# Altium PCB BTF16.PcbDoc (part 1 of 4)
Units mm, origin at the board's own origin, x right, y up, seen from the top; angles counter-clockwise.
Board outline 119.35 x 91 mm, 2 copper layers (Top Layer, Bottom Layer); 485 components, 133 nets, 1702 pads, 1556 vias.
Unrouted connection lines stored in the file: 2.
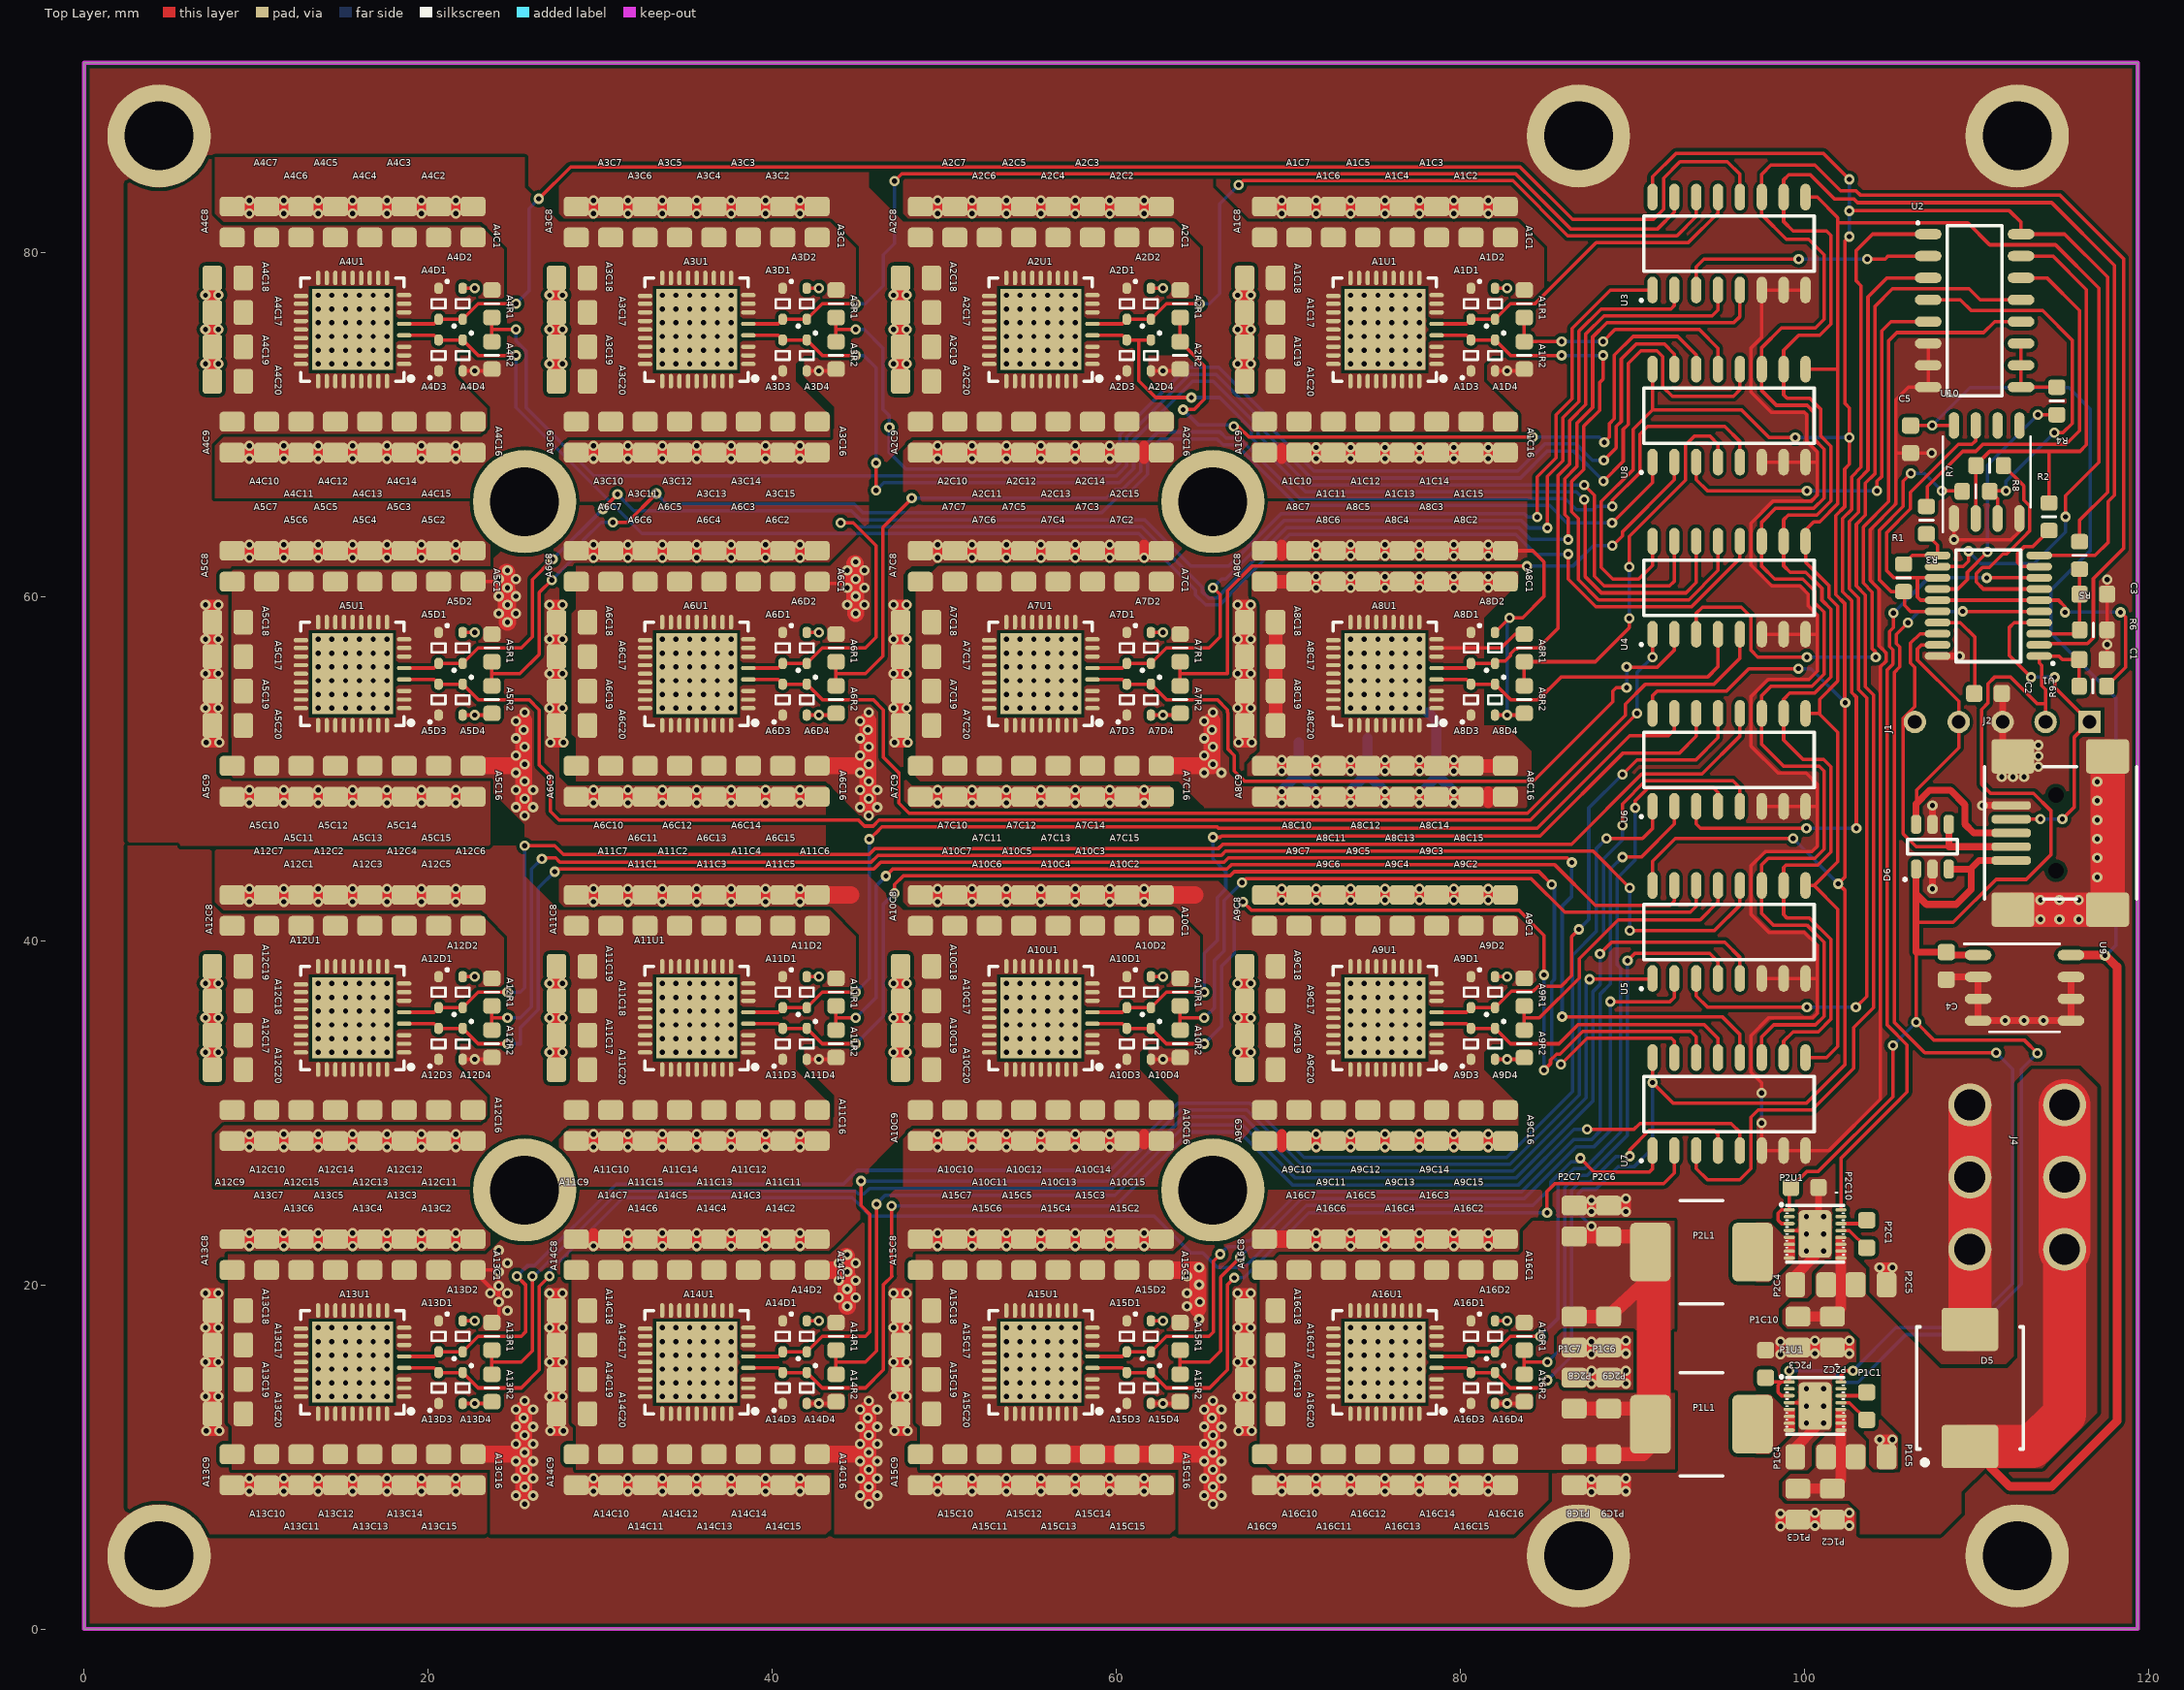
[diagram p0: Top Layer view]
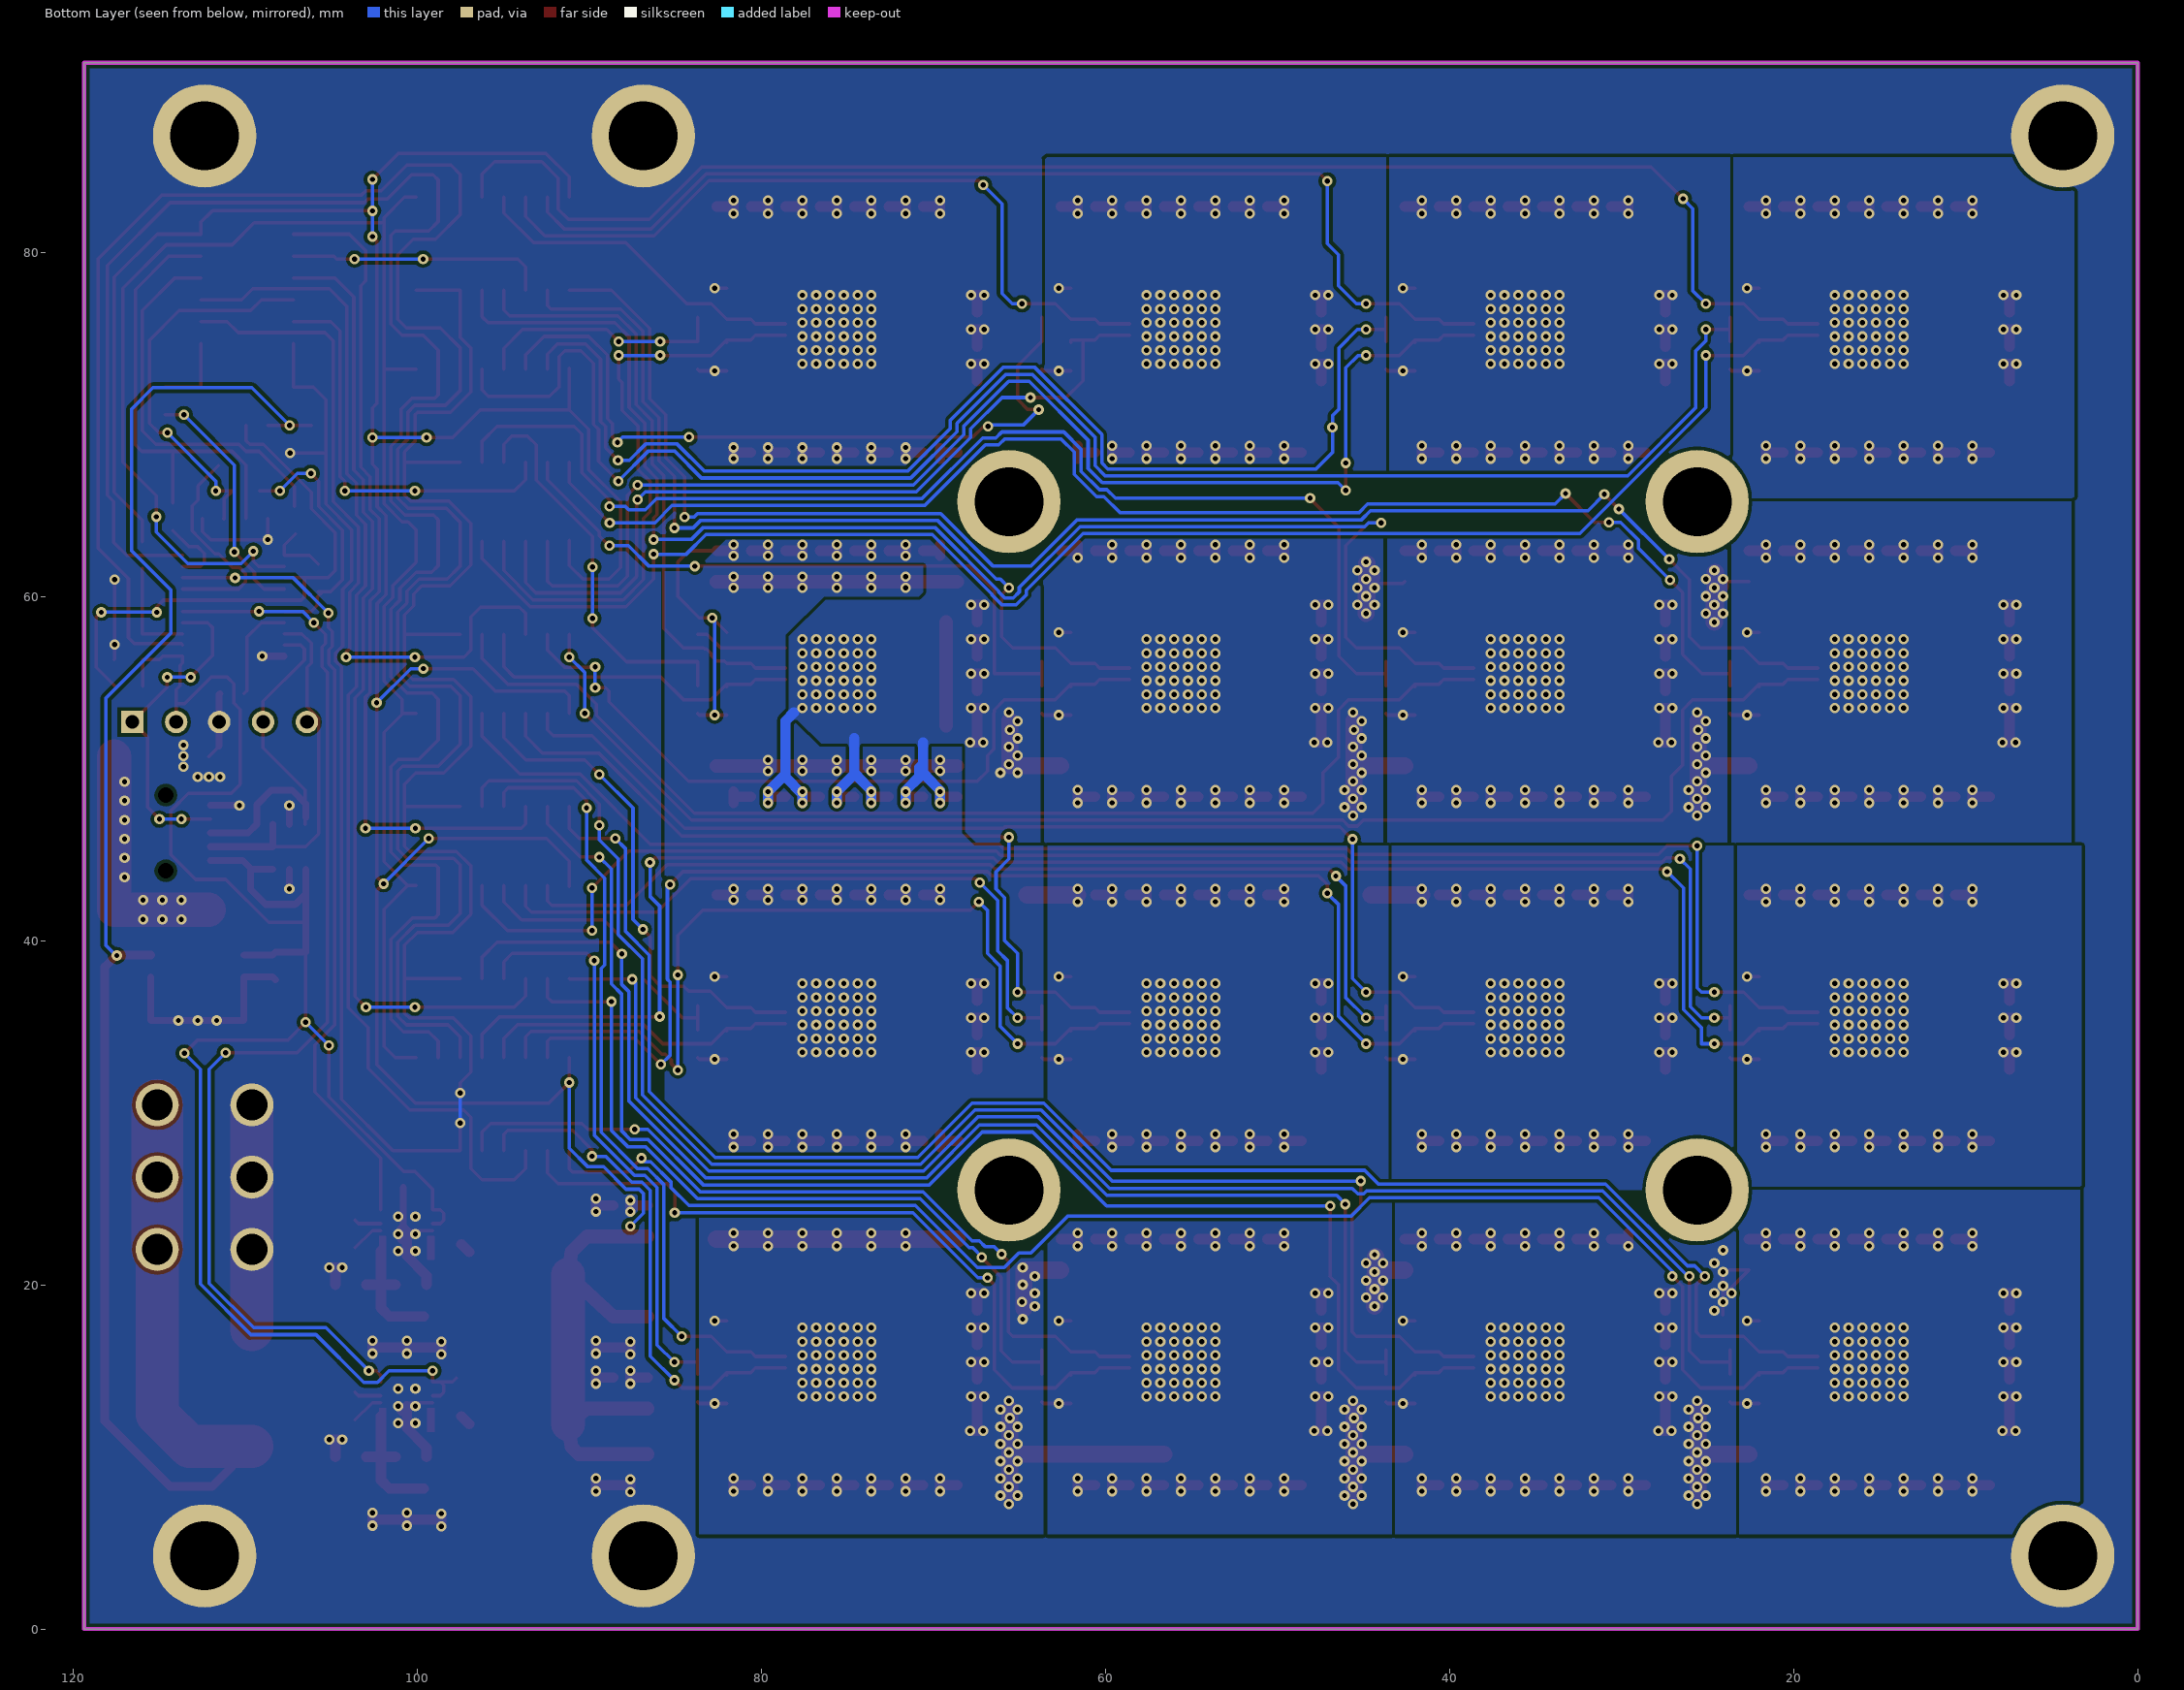
[diagram p1: Bottom Layer view, seen from below]
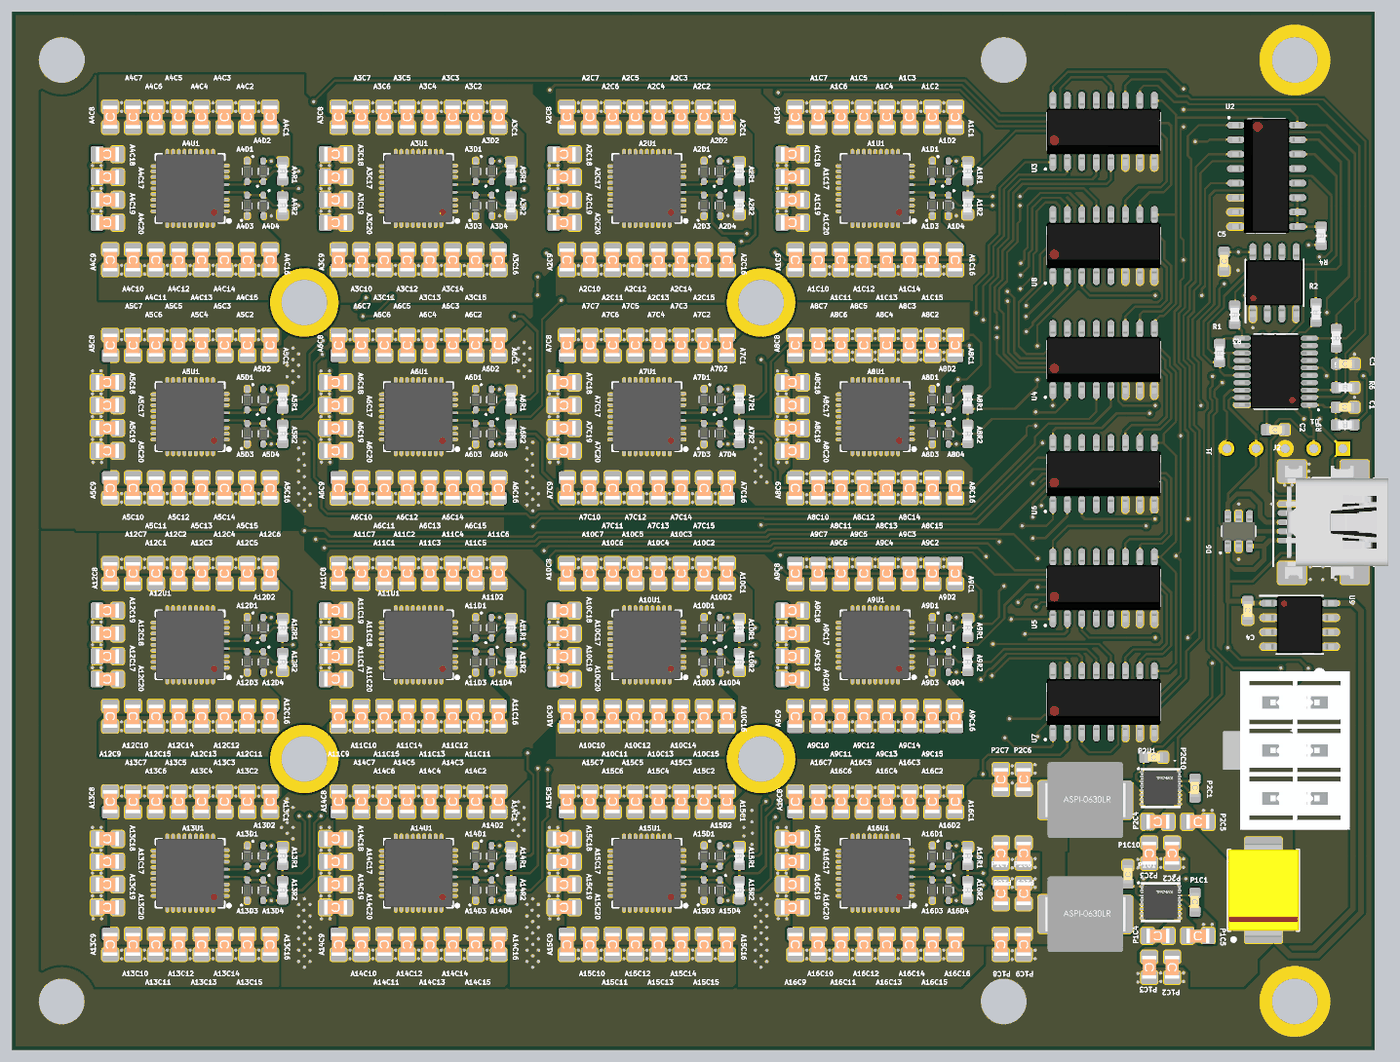
[diagram p5: 3D render of the assembled board from above, using the file's embedded part models]

## Layer stack, top to bottom
Top Solder: solder mask 0.0102, Solder Resist, Dk 3.5
Top Layer: signal copper 0.0356
Dielectric 1: dielectric 0.32, FR-4, Dk 4.8
Bottom Layer: signal copper 0.0356
Bottom Solder: solder mask 0.0102, Solder Resist, Dk 3.5

## Board outline
0,0 119.35,0 119.35,91 0,91

## Design rules (kind name [scope] priority, off if disabled: settings)
Clearance [All] p1: gap=0.2
ComponentClearance [All] p1 off: gap=0.254 collisioncheckmode=3 verticalgap=0.254 showdistances=FALSE
HoleSize [All] p1: absolutevalues=TRUE maxlimit=4 minlimit=0.3 maxpercent=80.000 minpercent=20.000
PolygonConnect [All] p1: connectstyle=Direct reliefconductorwidth=0.254 reliefentries=4 polygonreliefangle="90 Angle" airgapwidth=0.254
RoomDefinition A12 [InComponentClass('A12')] p1: confinementstyle=ConfineIn formatcopy=TRUE lockcomponents=FALSE outline 5.6,25.5 25.6,25.5 25.6,45.5 5.6,45.5
RoomDefinition A11 [InComponentClass('A11')] p2: confinementstyle=ConfineIn formatcopy=TRUE lockcomponents=FALSE outline 25.6,25.5 45.6,25.5 45.6,45.5 25.6,45.5
RoomDefinition P2 [InComponentClass('P2')] p3: confinementstyle=ConfineIn formatcopy=TRUE lockcomponents=FALSE outline 85.6,15.5 105.6,15.5 105.6,25.5 85.6,25.5
RoomDefinition P1 [InComponentClass('P1')] p4: confinementstyle=ConfineIn formatcopy=TRUE lockcomponents=FALSE outline 85.6,5.5 105.6,5.5 105.6,15.5 85.6,15.5
RoomDefinition MCU [InComponentClass('MCU')] p5: confinementstyle=ConfineIn formatcopy=TRUE lockcomponents=FALSE outline 85.6,85.5 85.6,25.5 119.35,25.5 119.35,85.5
RoomDefinition A16 [InComponentClass('A16')] p6: confinementstyle=ConfineIn formatcopy=TRUE lockcomponents=FALSE outline 65.6,5.5 85.6,5.5 85.6,25.5 65.6,25.5
RoomDefinition A15 [InComponentClass('A15')] p7: confinementstyle=ConfineIn formatcopy=TRUE lockcomponents=FALSE outline 45.6,5.5 65.6,5.5 65.6,25.5 45.6,25.5
RoomDefinition A14 [InComponentClass('A14')] p8: confinementstyle=ConfineIn formatcopy=TRUE lockcomponents=FALSE outline 25.6,5.5 45.6,5.5 45.6,25.5 25.6,25.5
RoomDefinition A13 [InComponentClass('A13')] p9: confinementstyle=ConfineIn formatcopy=TRUE lockcomponents=FALSE outline 5.6,5.5 25.6,5.5 25.6,25.5 5.6,25.5
RoomDefinition A10 [InComponentClass('A10')] p10: confinementstyle=ConfineIn formatcopy=TRUE lockcomponents=FALSE outline 45.6,25.5 65.6,25.5 65.6,45.5 45.6,45.5
RoomDefinition A9 [InComponentClass('A9')] p11: confinementstyle=ConfineIn formatcopy=TRUE lockcomponents=FALSE outline 65.6,25.5 85.6,25.5 85.6,45.5 65.6,45.5
RoomDefinition A8 [InComponentClass('A8')] p12: confinementstyle=ConfineIn formatcopy=TRUE lockcomponents=FALSE outline 65.6,45.5 85.6,45.5 85.6,65.5 65.6,65.5
RoomDefinition A7 [InComponentClass('A7')] p13: confinementstyle=ConfineIn formatcopy=TRUE lockcomponents=FALSE outline 45.6,45.5 65.6,45.5 65.6,65.5 45.6,65.5
RoomDefinition A6 [InComponentClass('A6')] p14: confinementstyle=ConfineIn formatcopy=TRUE lockcomponents=FALSE outline 25.6,45.5 45.6,45.5 45.6,65.5 25.6,65.5
RoomDefinition A5 [InComponentClass('A5')] p15: confinementstyle=ConfineIn formatcopy=TRUE lockcomponents=FALSE outline 5.6,45.5 25.6,45.5 25.6,65.5 5.6,65.5
RoomDefinition A4 [InComponentClass('A4')] p16: confinementstyle=ConfineIn formatcopy=TRUE lockcomponents=FALSE outline 5.6,65.5 25.6,65.5 25.6,85.5 5.6,85.5
RoomDefinition A3 [InComponentClass('A3')] p17: confinementstyle=ConfineIn formatcopy=TRUE lockcomponents=FALSE outline 25.6,65.5 45.6,65.5 45.6,85.5 25.6,85.5
RoomDefinition A2 [InComponentClass('A2')] p18: confinementstyle=ConfineIn formatcopy=TRUE lockcomponents=FALSE outline 45.6,65.5 65.6,65.5 65.6,85.5 45.6,85.5
RoomDefinition A1 [InComponentClass('A1')] p19: confinementstyle=ConfineIn formatcopy=TRUE lockcomponents=FALSE outline 65.6,65.5 85.6,65.5 85.6,85.5 65.6,85.5
RoutingVias [All] p1: holewidth=0.711 width=1.27 viastyle="Through Hole" minholewidth=0.711 minwidth=1.27 maxholewidth=0.711 maxwidth=1.27
SolderMaskExpansion [All] p1: expansion=0.102
UnpouredPolygon [All] p1: allowunpoured=FALSE
Width [All] p1: maxlimit=3 minlimit=0.2 preferedwidth=0.25
27 further rules are at their usual default settings.

## Classes and differential pairs
component class A16: A16C1 A16C2 A16C3 A16C4 A16C5 A16C6 A16C7 A16C8 A16C9 A16C10 A16C11 A16C12 A16C13 A16C14 A16C15 A16C16 A16C17 A16C18 A16C19 A16C20 A16D1 A16D2 A16D3 A16D4 A16R1 A16R2 A16U1
component class A15: A15C1 A15C2 A15C3 A15C4 A15C5 A15C6 A15C7 A15C8 A15C9 A15C10 A15C11 A15C12 A15C13 A15C14 A15C15 A15C16 A15C17 A15C18 A15C19 A15C20 A15D1 A15D2 A15D3 A15D4 A15R1 A15R2 A15U1
component class A14: A14C1 A14C2 A14C3 A14C4 A14C5 A14C6 A14C7 A14C8 A14C9 A14C10 A14C11 A14C12 A14C13 A14C14 A14C15 A14C16 A14C17 A14C18 A14C19 A14C20 A14D1 A14D2 A14D3 A14D4 A14R1 A14R2 A14U1
component class A13: A13C1 A13C2 A13C3 A13C4 A13C5 A13C6 A13C7 A13C8 A13C9 A13C10 A13C11 A13C12 A13C13 A13C14 A13C15 A13C16 A13C17 A13C18 A13C19 A13C20 A13D1 A13D2 A13D3 A13D4 A13R1 A13R2 A13U1
component class A12: A12C1 A12C2 A12C3 A12C4 A12C5 A12C6 A12C7 A12C8 A12C9 A12C10 A12C11 A12C12 A12C13 A12C14 A12C15 A12C16 A12C17 A12C18 A12C19 A12C20 A12D1 A12D2 A12D3 A12D4 A12R1 A12R2 A12U1
component class A11: A11C1 A11C2 A11C3 A11C4 A11C5 A11C6 A11C7 A11C8 A11C9 A11C10 A11C11 A11C12 A11C13 A11C14 A11C15 A11C16 A11C17 A11C18 A11C19 A11C20 A11D1 A11D2 A11D3 A11D4 A11R1 A11R2 A11U1
component class A10: A10C1 A10C2 A10C3 A10C4 A10C5 A10C6 A10C7 A10C8 A10C9 A10C10 A10C11 A10C12 A10C13 A10C14 A10C15 A10C16 A10C17 A10C18 A10C19 A10C20 A10D1 A10D2 A10D3 A10D4 A10R1 A10R2 A10U1
component class A9: A9C1 A9C2 A9C3 A9C4 A9C5 A9C6 A9C7 A9C8 A9C9 A9C10 A9C11 A9C12 A9C13 A9C14 A9C15 A9C16 A9C17 A9C18 A9C19 A9C20 A9D1 A9D2 A9D3 A9D4 A9R1 A9R2 A9U1
component class A8: A8C1 A8C2 A8C3 A8C4 A8C5 A8C6 A8C7 A8C8 A8C9 A8C10 A8C11 A8C12 A8C13 A8C14 A8C15 A8C16 A8C17 A8C18 A8C19 A8C20 A8D1 A8D2 A8D3 A8D4 A8R1 A8R2 A8U1
component class A7: A7C1 A7C2 A7C3 A7C4 A7C5 A7C6 A7C7 A7C8 A7C9 A7C10 A7C11 A7C12 A7C13 A7C14 A7C15 A7C16 A7C17 A7C18 A7C19 A7C20 A7D1 A7D2 A7D3 A7D4 A7R1 A7R2 A7U1
component class A6: A6C1 A6C2 A6C3 A6C4 A6C5 A6C6 A6C7 A6C8 A6C9 A6C10 A6C11 A6C12 A6C13 A6C14 A6C15 A6C16 A6C17 A6C18 A6C19 A6C20 A6D1 A6D2 A6D3 A6D4 A6R1 A6R2 A6U1
component class A5: A5C1 A5C2 A5C3 A5C4 A5C5 A5C6 A5C7 A5C8 A5C9 A5C10 A5C11 A5C12 A5C13 A5C14 A5C15 A5C16 A5C17 A5C18 A5C19 A5C20 A5D1 A5D2 A5D3 A5D4 A5R1 A5R2 A5U1
component class A3: A3C1 A3C2 A3C3 A3C4 A3C5 A3C6 A3C7 A3C8 A3C9 A3C10 A3C11 A3C12 A3C13 A3C14 A3C15 A3C16 A3C17 A3C18 A3C19 A3C20 A3D1 A3D2 A3D3 A3D4 A3R1 A3R2 A3U1
component class A4: A4C1 A4C2 A4C3 A4C4 A4C5 A4C6 A4C7 A4C8 A4C9 A4C10 A4C11 A4C12 A4C13 A4C14 A4C15 A4C16 A4C17 A4C18 A4C19 A4C20 A4D1 A4D2 A4D3 A4D4 A4R1 A4R2 A4U1
net class SDA[1..16]: SDA1 SDA2 SDA3 SDA4 SDA5 SDA6 SDA7 SDA8 SDA9 SDA10 SDA11 SDA12 SDA13 SDA14 SDA15 SDA16
net class SCL[1..16]: SCL1 SCL2 SCL3 SCL4 SCL5 SCL6 SCL7 SCL8 SCL9 SCL10 SCL11 SCL12 SCL13 SCL14 SCL15 SCL16
channel class POWER: POWER1 POWER2
net class REF[1..16]: REF1 REF2 REF3 REF4 REF5 REF6 REF7 REF8 REF9 REF10 REF11 REF12 REF13 REF14 REF15 REF16
component class P2: P2C1 P2C2 P2C3 P2C4 P2C5 P2C6 P2C7 P2C8 P2C9 P2C10 P2L1 P2U1
component class P1: P1C1 P1C2 P1C3 P1C4 P1C5 P1C6 P1C7 P1C8 P1C9 P1C10 P1L1 P1U1
component class MCU: C1 C2 C3 C4 C5 D5 D6 J1 J2 J4 R1 R2 R3 R4 R5 R6 R7 R8 R9 U1 U2 U3 U4 U5 U6 U7 U8 U9 U10
component class A2: A2C1 A2C2 A2C3 A2C4 A2C5 A2C6 A2C7 A2C8 A2C9 A2C10 A2C11 A2C12 A2C13 A2C14 A2C15 A2C16 A2C17 A2C18 A2C19 A2C20 A2D1 A2D2 A2D3 A2D4 A2R1 A2R2 A2U1
component class A1: A1C1 A1C2 A1C3 A1C4 A1C5 A1C6 A1C7 A1C8 A1C9 A1C10 A1C11 A1C12 A1C13 A1C14 A1C15 A1C16 A1C17 A1C18 A1C19 A1C20 A1D1 A1D2 A1D3 A1D4 A1R1 A1R2 A1U1
channel class ASIC: A11 A12
net class PWM[1..2]: PWM1 PWM2

## Components (designator, comment, footprint, x,y, rotation, side; value= is the part's Value field where it differs from the comment)
A1C1 "22uF" SMD_0805_CAPC2012X95N 82.6,81.75 r90 top (schematic designator C1)
A1C2 "22uF" SMD_0805_CAPC2012X95N 80.6,81.75 r90 top (schematic designator C2)
A1C3 "22uF" SMD_0805_CAPC2012X95N 78.6,81.75 r90 top (schematic designator C3)
A1C4 "22uF" SMD_0805_CAPC2012X95N 76.6,81.75 r90 top (schematic designator C4)
A1C5 "22uF" SMD_0805_CAPC2012X95N 74.6,81.75 r90 top (schematic designator C5)
A1C6 "22uF" SMD_0805_CAPC2012X95N 72.6,81.75 r90 top (schematic designator C6)
A1C7 "22uF" SMD_0805_CAPC2012X95N 70.6,81.75 r90 top (schematic designator C7)
A1C8 "22uF" SMD_0805_CAPC2012X95N 68.6,81.75 r90 top (schematic designator C8)
A1C9 "22uF" SMD_0805_CAPC2012X95N 68.6,69.25 r270 top (schematic designator C9)
A1C10 "22uF" SMD_0805_CAPC2012X95N 70.6,69.25 r270 top (schematic designator C10)
A1C11 "22uF" SMD_0805_CAPC2012X95N 72.6,69.25 r270 top (schematic designator C11)
A1C12 "22uF" SMD_0805_CAPC2012X95N 74.6,69.25 r270 top (schematic designator C12)
A1C13 "22uF" SMD_0805_CAPC2012X95N 76.6,69.25 r270 top (schematic designator C13)
A1C14 "22uF" SMD_0805_CAPC2012X95N 78.6,69.25 r270 top (schematic designator C14)
A1C15 "22uF" SMD_0805_CAPC2012X95N 80.6,69.25 r270 top (schematic designator C15)
A1C16 "22uF" SMD_0805_CAPC2012X95N 82.6,69.25 r270 top (schematic designator C16)
A1C17 "22uF" SMD_0805_CAPC2012X95N 68.35,76.5 r180 top (schematic designator C17)
A1C18 "22uF" SMD_0805_CAPC2012X95N 68.35,78.5 r180 top (schematic designator C18)
A1C19 "22uF" SMD_0805_CAPC2012X95N 68.35,74.5 r180 top (schematic designator C19)
A1C20 "22uF" SMD_0805_CAPC2012X95N 68.35,72.5 r180 top (schematic designator C20)
A1D1 "D" SMD_SOD523_SOD1608X65N 80.6,77 r270 top (schematic designator D1)
A1D2 "D" SMD_SOD523_SOD1608X65N 82,77 r90 top (schematic designator D2)
A1D3 "D" SMD_SOD523_SOD1608X65N 80.6,74 r90 top (schematic designator D3)
A1D4 "D" SMD_SOD523_SOD1608X65N 82,74 r270 top (schematic designator D4)
A1R1 "1k" SMD_0603_RESC1608X55N 83.7,77 r270 top (schematic designator R1)
A1R2 "1k" SMD_0603_RESC1608X55N 83.7,74 r270 top (schematic designator R2)
A1U1 "IC_BITFURY16" SMD_QFN65P600X600X100-36AN 75.6,75.5 r0 top (schematic designator U1)
A2C1 "22uF" SMD_0805_CAPC2012X95N 62.6,81.75 r90 top (schematic designator C1)
A2C2 "22uF" SMD_0805_CAPC2012X95N 60.6,81.75 r90 top (schematic designator C2)
A2C3 "22uF" SMD_0805_CAPC2012X95N 58.6,81.75 r90 top (schematic designator C3)
A2C4 "22uF" SMD_0805_CAPC2012X95N 56.6,81.75 r90 top (schematic designator C4)
A2C5 "22uF" SMD_0805_CAPC2012X95N 54.6,81.75 r90 top (schematic designator C5)
A2C6 "22uF" SMD_0805_CAPC2012X95N 52.6,81.75 r90 top (schematic designator C6)
A2C7 "22uF" SMD_0805_CAPC2012X95N 50.6,81.75 r90 top (schematic designator C7)
A2C8 "22uF" SMD_0805_CAPC2012X95N 48.6,81.75 r90 top (schematic designator C8)
A2C9 "22uF" SMD_0805_CAPC2012X95N 48.6,69.25 r270 top (schematic designator C9)
A2C10 "22uF" SMD_0805_CAPC2012X95N 50.6,69.25 r270 top (schematic designator C10)
A2C11 "22uF" SMD_0805_CAPC2012X95N 52.6,69.25 r270 top (schematic designator C11)
A2C12 "22uF" SMD_0805_CAPC2012X95N 54.6,69.25 r270 top (schematic designator C12)
A2C13 "22uF" SMD_0805_CAPC2012X95N 56.6,69.25 r270 top (schematic designator C13)
A2C14 "22uF" SMD_0805_CAPC2012X95N 58.6,69.25 r270 top (schematic designator C14)
A2C15 "22uF" SMD_0805_CAPC2012X95N 60.6,69.25 r270 top (schematic designator C15)
A2C16 "22uF" SMD_0805_CAPC2012X95N 62.6,69.25 r270 top (schematic designator C16)
A2C17 "22uF" SMD_0805_CAPC2012X95N 48.35,76.5 r180 top (schematic designator C17)
A2C18 "22uF" SMD_0805_CAPC2012X95N 48.35,78.5 r180 top (schematic designator C18)
A2C19 "22uF" SMD_0805_CAPC2012X95N 48.35,74.5 r180 top (schematic designator C19)
A2C20 "22uF" SMD_0805_CAPC2012X95N 48.35,72.5 r180 top (schematic designator C20)
A2D1 "D" SMD_SOD523_SOD1608X65N 60.6,77 r270 top (schematic designator D1)
A2D2 "D" SMD_SOD523_SOD1608X65N 62,77 r90 top (schematic designator D2)
A2D3 "D" SMD_SOD523_SOD1608X65N 60.6,74 r90 top (schematic designator D3)
A2D4 "D" SMD_SOD523_SOD1608X65N 62,74 r270 top (schematic designator D4)
A2R1 "1k" SMD_0603_RESC1608X55N 63.7,77 r270 top (schematic designator R1)
A2R2 "1k" SMD_0603_RESC1608X55N 63.7,74 r270 top (schematic designator R2)
A2U1 "IC_BITFURY16" SMD_QFN65P600X600X100-36AN 55.6,75.5 r0 top (schematic designator U1)
A3C1 "22uF" SMD_0805_CAPC2012X95N 42.6,81.75 r90 top (schematic designator C1)
A3C2 "22uF" SMD_0805_CAPC2012X95N 40.6,81.75 r90 top (schematic designator C2)
A3C3 "22uF" SMD_0805_CAPC2012X95N 38.6,81.75 r90 top (schematic designator C3)
A3C4 "22uF" SMD_0805_CAPC2012X95N 36.6,81.75 r90 top (schematic designator C4)
A3C5 "22uF" SMD_0805_CAPC2012X95N 34.6,81.75 r90 top (schematic designator C5)
A3C6 "22uF" SMD_0805_CAPC2012X95N 32.6,81.75 r90 top (schematic designator C6)
A3C7 "22uF" SMD_0805_CAPC2012X95N 30.6,81.75 r90 top (schematic designator C7)
A3C8 "22uF" SMD_0805_CAPC2012X95N 28.6,81.75 r90 top (schematic designator C8)
A3C9 "22uF" SMD_0805_CAPC2012X95N 28.6,69.25 r270 top (schematic designator C9)
A3C10 "22uF" SMD_0805_CAPC2012X95N 30.6,69.25 r270 top (schematic designator C10)
A3C11 "22uF" SMD_0805_CAPC2012X95N 32.6,69.25 r270 top (schematic designator C11)
A3C12 "22uF" SMD_0805_CAPC2012X95N 34.6,69.25 r270 top (schematic designator C12)
A3C13 "22uF" SMD_0805_CAPC2012X95N 36.6,69.25 r270 top (schematic designator C13)
A3C14 "22uF" SMD_0805_CAPC2012X95N 38.6,69.25 r270 top (schematic designator C14)
A3C15 "22uF" SMD_0805_CAPC2012X95N 40.6,69.25 r270 top (schematic designator C15)
A3C16 "22uF" SMD_0805_CAPC2012X95N 42.6,69.25 r270 top (schematic designator C16)
A3C17 "22uF" SMD_0805_CAPC2012X95N 28.35,76.5 r180 top (schematic designator C17)
A3C18 "22uF" SMD_0805_CAPC2012X95N 28.35,78.5 r180 top (schematic designator C18)
A3C19 "22uF" SMD_0805_CAPC2012X95N 28.35,74.5 r180 top (schematic designator C19)
A3C20 "22uF" SMD_0805_CAPC2012X95N 28.35,72.5 r180 top (schematic designator C20)
A3D1 "D" SMD_SOD523_SOD1608X65N 40.6,77 r270 top (schematic designator D1)
A3D2 "D" SMD_SOD523_SOD1608X65N 42,77 r90 top (schematic designator D2)
A3D3 "D" SMD_SOD523_SOD1608X65N 40.6,74 r90 top (schematic designator D3)
A3D4 "D" SMD_SOD523_SOD1608X65N 42,74 r270 top (schematic designator D4)
A3R1 "1k" SMD_0603_RESC1608X55N 43.7,77 r270 top (schematic designator R1)
A3R2 "1k" SMD_0603_RESC1608X55N 43.7,74 r270 top (schematic designator R2)
A3U1 "IC_BITFURY16" SMD_QFN65P600X600X100-36AN 35.6,75.5 r0 top (schematic designator U1)
A4C1 "22uF" SMD_0805_CAPC2012X95N 22.6,81.75 r90 top (schematic designator C1)
A4C2 "22uF" SMD_0805_CAPC2012X95N 20.6,81.75 r90 top (schematic designator C2)
A4C3 "22uF" SMD_0805_CAPC2012X95N 18.6,81.75 r90 top (schematic designator C3)
A4C4 "22uF" SMD_0805_CAPC2012X95N 16.6,81.75 r90 top (schematic designator C4)
A4C5 "22uF" SMD_0805_CAPC2012X95N 14.6,81.75 r90 top (schematic designator C5)
A4C6 "22uF" SMD_0805_CAPC2012X95N 12.6,81.75 r90 top (schematic designator C6)
A4C7 "22uF" SMD_0805_CAPC2012X95N 10.6,81.75 r90 top (schematic designator C7)
A4C8 "22uF" SMD_0805_CAPC2012X95N 8.6,81.75 r90 top (schematic designator C8)
A4C9 "22uF" SMD_0805_CAPC2012X95N 8.6,69.25 r270 top (schematic designator C9)
A4C10 "22uF" SMD_0805_CAPC2012X95N 10.6,69.25 r270 top (schematic designator C10)
A4C11 "22uF" SMD_0805_CAPC2012X95N 12.6,69.25 r270 top (schematic designator C11)